# Altium PCB v1.0.PcbDoc (part 1 of 2) (continued)
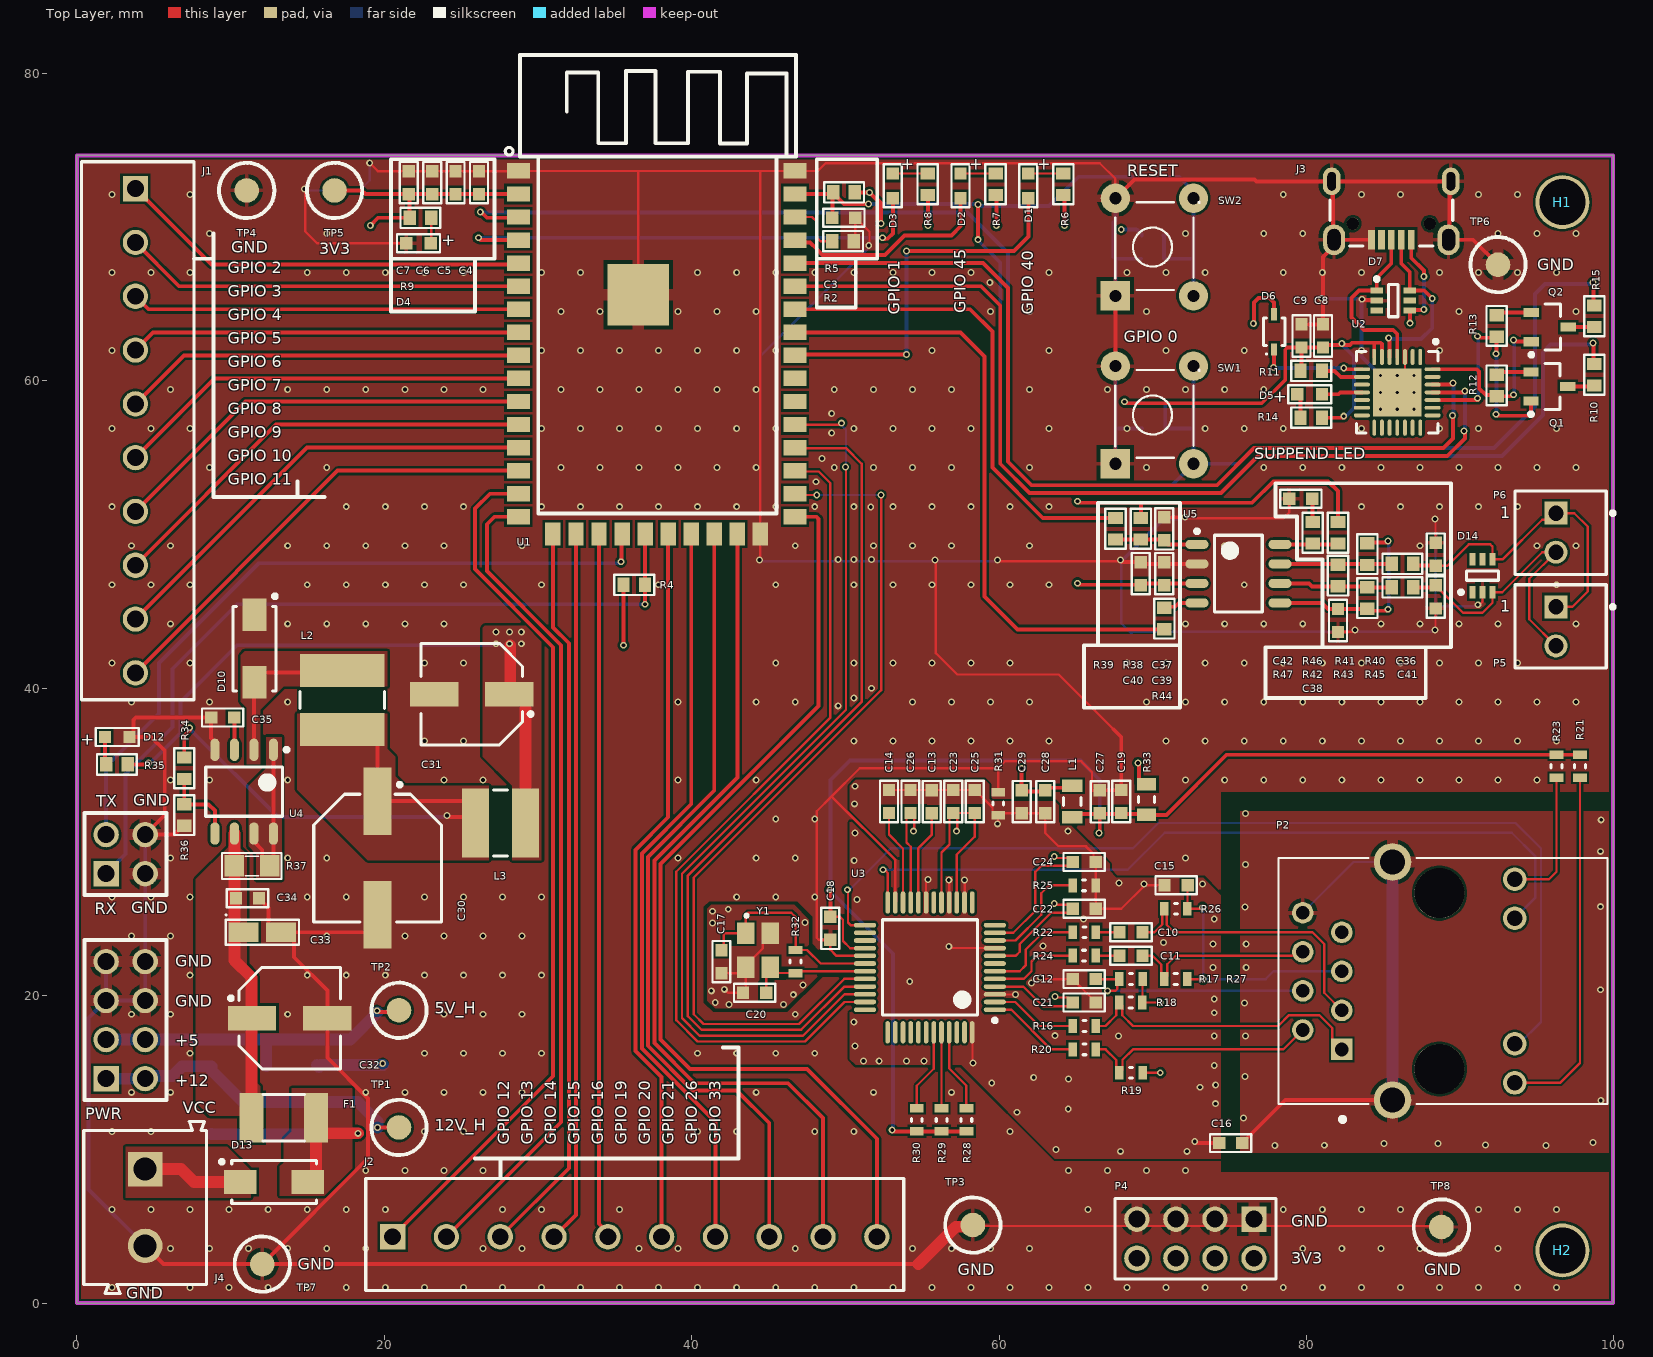
[diagram p0: Top Layer view]
## Components (designator, comment, footprint, x,y, rotation, side; value= is the part's Value field where it differs from the comment) (continued)
R4 "RESISTOR SMD" RES-SM-0603 36.257,46.736 r180 top value=10K
R5 "RESISTOR SMD" RES-SM-0603 49.911,72.263 r0 top value=10K
R6 "RESISTOR SMD" RES-SM-0603 64.182,72.789 r270 top value=330
R7 "RESISTOR SMD" RES-SM-0603 59.768,72.789 r270 top value=330
R8 "RESISTOR SMD" RES-SM-0603 55.354,72.789 r270 top value=330
R9 "RESISTOR SMD" RES-SM-0603 22.352,70.612 r180 top value=330
R10 "RESISTOR SMD" RES-SM-0603 98.722,60.399 r90 top value=0
R11 "RESISTOR SMD" RES-SM-0603 80.307,60.653 r180 top value=4.7K
R12 "RESISTOR SMD" RES-SM-0603 92.372,59.702 r90 top value=10K
R13 "RESISTOR SMD" RES-SM-0603 92.372,63.574 r90 top value=10K
R14 "RESISTOR SMD" RES-SM-0603 80.307,57.605 r0 top value=330
R15 "RESISTOR SMD" RES-SM-0603 98.722,64.209 r90 top value=0
R16 "Resistor" R0603 65.544,18.034 r0 top value=33
R17 "Resistor" R0603 68.58,21.082 r0 top value=10
R18 "Resistor" R0603 68.568,19.558 r0 top value=49.9
R19 "Resistor" R0603 68.58,14.986 r0 top value=49.9
R20 "Resistor" R0603 65.544,16.51 r0 top value=33
R21 "Resistor" R0603 97.79,34.925 r90 top value=330
R22 "Resistor" R0603 65.544,24.13 r0 top value=33
R23 "Resistor" R0603 96.266,34.925 r90 top value=330
R24 "Resistor" R0603 65.532,22.606 r0 top value=33
R25 "Resistor" R0603 65.532,27.178 r0 top value=12.4K
R26 "Resistor" R0603 71.501,25.654 r0 top value=49.9
R27 "Resistor" R0603 71.489,21.082 r0 top value=49.9
R28 "Resistor" R0603 57.868,11.922 r270 top value=10K
R29 "Resistor" R0603 56.257,11.922 r270 top value=10K
R30 "Resistor" R0603 54.646,11.922 r270 top value=10K
R31 "Resistor" R0603 59.944,32.5 r90 top value=0
R32 "Resistor" R0603 46.758,22.225 r90 top value=1M
R33 "Resistor" R0805 69.596,32.766 r90 top value=0
R34 "RESISTOR SMD" RES-SM-0603 6.985,34.798 r90 top value=4.2K
R35 "RESISTOR SMD" RES-SM-0603 2.603,35.047 r0 top value=330
R36 "RESISTOR SMD" RES-SM-0603 6.985,31.75 r90 top value=2.5K
R37 "RESISTOR SMD" RES-SM-0805 11.392,28.448 r0 top value=0.33
R38 "RESISTOR SMD" RES-SM-0603 69.221,50.379 r90 top value=10K
R39 "RESISTOR SMD" RES-SM-0603 67.57,50.379 r90 top value=10K
R40 "RESISTOR SMD" RES-SM-0603 86.239,48.093 r180 top value=0
R41 "RESISTOR SMD" RES-SM-0603 83.953,48.728 r90 top value=60.4
R42 "RESISTOR SMD" RES-SM-0603 82.048,47.331 r270 top value=NC
R43 "RESISTOR SMD" RES-SM-0603 83.953,45.869 r90 top value=60.4
R44 "RESISTOR SMD" RES-SM-0603 70.745,44.537 r270 top value=10K
R45 "RESISTOR SMD" RES-SM-0603 86.239,46.569 r180 top value=0
R46 "RESISTOR SMD" RES-SM-0603 82.048,50.125 r270 top value=NC
R47 "RESISTOR SMD" RES-SM-0603 80.397,50.125 r270 top value=10K
SW1 "SW" "Tact SW 4 pin" 67.564,54.61 r90 top value="Button chip 4 pin"
SW2 "SW" "Tact SW 4 pin" 67.564,65.532 r90 top value="Button chip 4 pin"
TP1 "Test point" TP 20.955,11.43 r90 top
TP2 "Test point" TP 20.955,19.05 r90 top
TP3 "Test point" TP 58.293,5.08 r0 top
TP4 "Test point" TP 11.049,72.39 r0 top
TP5 "Test point" TP 16.764,72.39 r0 top
TP6 "Test point" TP 92.456,67.564 r270 top
TP7 "Test point" TP 12.065,2.54 r270 top
TP8 "Test point" TP 88.773,4.953 r270 top
U1 "ESP-12K" CAC-150P3100X1800-41N 37.719,61.849 r0 top
U2 "CP2102" QFN50P500X500X90_HS-29N 85.903,59.256 r270 top
U3 "W5500" TSQFP50P900X900X160-48N 55.499,21.844 r180 top
U4 "MC34063AD" SOIC127P600X170-8N 10.884,33.274 r270 top
U5 "SN65HVD230" SOIC127P600X175-8N 75.571,47.458 r0 top
Y1 "25MHz" WE-XTAL_CFPX-180 44.316,22.956 r270 top

## Footprints (in the part's own frame and the unit in brackets; to place one, negate y for a bottom-side part, rotate by r counter-clockwise, add the part's x,y. Pads: shape width x height; smd on the part's side, far side on the other; paste and mask are expansions set on the pad)
61300421121 [mm] "Pin Header, pitch 2.54 mm, THT, Vertical, dual row, 4p"
  rect 1.65x1.65 hole 1.1: 1(-1.27,-1.27)
  round 1.65 hole 1.1: 2(-1.27,1.27) 3(1.27,-1.27) 4(1.27,1.27)
  silkscreen extent -2.69,-2.62 2.69,2.62, body extent -2.54,-2.54 2.54,2.54, height 8.59
61300821121 [mm] "Pin Header, pitch 2.54 mm, THT, Vertical, dual row, 8p"
  rect 1.65x1.65 hole 1.1: 1(-3.81,-1.27)
  round 1.65 hole 1.1: 2(-3.81,1.27) 3(-1.27,-1.27) 4(-1.27,1.27) 5(1.27,-1.27) 6(1.27,1.27) 7(3.81,-1.27) 8(3.81,1.27)
  silkscreen extent -5.23,-2.62 5.23,2.62, body extent -5.08,-2.54 5.08,2.54, height 8.59
61900211121 [mm] "2.54mm Male Locking Header, 2p"
  rect 1.5x1.5 hole 1: 1(1.27,0.3)
  round 1.5 hole 1: 2(-1.27,0.3)
  silkscreen extent -2.71,-3.52 2.71,2.98, body extent -2.54,-2.9 2.54,2.9, height 11.53
629105150521 [mm] "Micro USB 2.0 SMT Type B Horizontal 5 Contacts High Current"
  rect 0.45x1.3 smd: 1(-1.3,2.9) 2(-0.65,2.9) 3(0,2.9) 4(0.65,2.9) 5(1.3,2.9)
  round 0.8 hole 0.8 unplated: MH1(-2.5,1.85) MH2(2.5,1.85)
  oval 1.15x1.8 hole 0.55 slot 1.2 at 90 deg: Shell(-3.875,-0.9) Shell(3.875,-0.9)
  oval 1.45x2 hole 0.85 slot 1.4 at 90 deg: Shell(-3.725,2.9) Shell(3.725,2.9)
  silkscreen extent -4,0.3 4,3.3, body extent -4,-3.3 4,3.3, height 2.75
691111710002 [mm] "5,00mm - modular - green - Horizontal entry with pressure clamp - 10,0mm height - 02p"
  rect 2.25x2.25 hole 1.5: 1(-2.5,0)
  round 2.25 hole 1.5: 2(2.5,0)
  silkscreen extent -5.6,-4 5.6,4, body extent -5.6,-4 5.6,4, height 11.05
691243110010 [mm] "Serie 2431 - 3.50 mm_10 pins"
  rect 1.65x1.65 hole 1.1: 1(-15.75,-0.15)
  round 1.65 hole 1.1: 2(-12.25,-0.15) 3(-8.75,-0.15) 4(-5.25,-0.15) 5(-1.75,-0.15) 6(1.75,-0.15) 7(5.25,-0.15) 8(8.75,-0.15) 9(12.25,-0.15) 10(15.75,-0.15)
  silkscreen extent -17.5,-3.65 17.5,3.65, body extent -17.5,-3.65 17.5,3.65, height 9.15
CAC-150P3100X1800-41N [mm] "Chip Array, Concave, 41-Leads, Pitch 1.50mm,  Body 31.00x18.00mm,  IPC Medium Density"
  rect 1.5x1 smd: 1(-9,11.811) 2(-9,10.311) 3(-9,8.811) 4(-9,7.311) 5(-9,5.811) 6(-9,4.311) 7(-9,2.811) 8(-9,1.311) 9(-9,-0.189) 10(-9,-1.689) 11(-9,-3.189) 12(-9,-4.689) 13(-9,-6.189) 14(-9,-7.689) 15(-9,-9.189) 16(-9,-10.689) 27(9,-10.689) 28(9,-9.189) 29(9,-7.689) 30(9,-6.189) 31(9,-4.689) 32(9,-3.189) 33(9,-1.689) 34(9,-0.189) 35(9,1.311) 36(9,2.811) 37(9,4.311) 38(9,5.811) 39(9,7.311) 40(9,8.811) 41(9,10.311) 42(9,11.811)
  rect 1x1.5 smd: 17(-6.75,-11.811) 18(-5.25,-11.811) 19(-3.75,-11.811) 20(-2.25,-11.811) 21(-0.75,-11.811) 22(0.75,-11.811) 23(2.25,-11.811) 24(3.75,-11.811) 25(5.25,-11.811) 26(6.75,-11.811)
  rect 4x4 smd: 43(-1.2,3.75)
  silkscreen extent -9.85,-10.46 9.08,19.36, body extent -9,-11.7 9,19.3, height 3.45
"CAP ALU SIZE D" [mm] "Capacitor, Aluminium Electrolytric, 6.6mm L X 6.6mm W X 5.4mm H, IPC Medium Density"
  rect 3.15x1.6 smd: 1(-2.45,0) 2(2.45,0)
  silkscreen extent -3.95,-3.3 3.3,3.3, body extent -3.9,-3.4 3.9,3.4, height 5.7
"CAP ALU SIZE F" [mm] "Capacitor, Aluminium Electrolytric, 8.3mm L X 8.3mm W X 10.2mm H, IPC Medium Density"
  rect 4.4x1.8 smd: 1(-3.7,0) 2(3.7,0)
  silkscreen extent -4.9,-4.15 4.15,4.15, body extent -4.75,-4.25 5.25,4.25, height 10.2
CAPMP3216X18N [mm] "Molded Capacitor, 2-Leads, Body 3.20x1.60mm, IPC Medium Density"
  rect 1.95x1.25 smd: 1(-1.225,0) 2(1.225,0)
  silkscreen extent -2.41,-0.81 2.39,1.18, body extent -1.92,-0.9 1.92,0.9, height 1.8
"FUSE SMD" [mm] "SMD FUSE"
  rect 1.55x3.21 smd: 1(-2.1,0) 2(2.1,0)
  silkscreen extent -1.35,-1.5 1.35,1.51, body extent -2.37,-1.71 2.36,1.71, height 0.75
HANRUN_HR911105A [mm]
  rect 1.398x1.398 / inner round 1.398 / far side rect 1.398x1.398 hole 0.89: 1(4.45,-6.35)
  round 1.398 hole 0.89: 2(3.18,-8.89) 3(1.91,-6.35) 4(0.64,-8.89) 5(-0.63,-6.35) 6(-1.9,-8.89) 7(-3.17,-6.35) 8(-4.44,-8.89)
  round 1.53 hole 1.02: 9(6.625,4.9) 10(4.085,4.9) 11(-4.085,4.9) 12(-6.625,4.9)
  round 2.445 hole 1.63: Shell(-7.745,-3.05) Shell(7.745,-3.05)
  round 3.25 hole 3.25 unplated: ""(-5.715,0) ""(5.715,0)
  silkscreen extent -8,-10.48 9.15,10.92, body extent -8.02,-10.38 8.02,10.92, height 13.5
I0805 [mm] "Chip Inductor, 2-Leads, Body 2.00x1.20mm, IPC Medium Density"
  rect 0.8x1.34 smd: 1(-1.03,0) 2(1.03,0)
  silkscreen extent -0.25,-0.57 0.25,0.57, body extent -1,-0.6 1,0.6, height 0.45
"LO KHOAN 3MM" [mil]
  round 138 hole 118.1: 1(0,0)
QFN50P500X500X90_HS-29N [mm] "QFN, 28-Leads, Body 5.00x5.00mm, Pitch 0.50mm, Thermal Pad 3.13x3.13mm, IPC Medium Density"
  oval 1.05x0.25 smd: 1(-2.3,1.5) 2(-2.3,1) 3(-2.3,0.5) 4(-2.3,0) 5(-2.3,-0.5) 6(-2.3,-1) 7(-2.3,-1.5) 15(2.3,-1.5) 16(2.3,-1) 17(2.3,-0.5) 18(2.3,0) 19(2.3,0.5) 20(2.3,1) 21(2.3,1.5)
  oval 0.25x1.05 smd: 8(-1.5,-2.3) 9(-1,-2.3) 10(-0.5,-2.3) 11(0,-2.3) 12(0.5,-2.3) 13(1,-2.3) 14(1.5,-2.3) 22(1.5,2.3) 23(1,2.3) 24(0.5,2.3) 25(0,2.3) 26(-0.5,2.3) 27(-1,2.3) 28(-1.5,2.3)
  rect 3.13x3.13 smd: 29(0,0)
  silkscreen extent -3.42,-2.65 2.65,2.65, body extent -2.52,-2.52 2.52,2.52, height 0.9
R0603 [mm] "Chip Resistor, 2-Leads, Body 1.55x0.85mm, IPC Medium Density"
  rect 0.55x0.9 smd: 1(-0.75,0) 2(0.75,0)
  silkscreen extent -0.1,-0.35 0.1,0.35, body extent -0.77,-0.43 0.77,0.43, height 0.45
R0805 [mm] "Chip Resistor, 2-Leads, Body 2.00x1.20mm, IPC Medium Density"
  rect 0.8x1.25 smd: 1(-1,0) 2(1,0)
  silkscreen extent -0.2,-0.53 0.2,0.53, body extent -1,-0.6 1,0.6, height 0.45
RES-SM-0603 [mm]
  rect 0.8x0.95 smd: 1(-0.7,0) 2(0.7,0)
  silkscreen extent -1.3,-0.66 1.3,0.66, body extent -0.8,-0.4 0.8,0.4, height 0.3
RES-SM-0805 [mil]
  rect 50x55 smd: 1(-45,0) 2(45,0)
  silkscreen extent -77,-34 76,33, body extent -39,-25 39,25, height 31
SODFL250X90-2N [mm] "SODFL, 2-Leads, Body 1.25x2.50mm, IPC Medium Density"
  rect 0.8x0.4 smd: 1(-1.15,0) 2(1.15,0)
  silkscreen extent -1.5,-0.7 0.9,0.7, body extent -1.25,-0.67 1.25,0.67, height 0.9
SOIC127P600X170-8N [mm] "SOIC, 8-Leads, Body 4.91x3.90mm, Pitch 1.27mm, IPC Medium Density"
  oval 1.45x0.6 smd: 1(-2.725,1.905) 2(-2.725,0.635) 3(-2.725,-0.635) 4(-2.725,-1.905) 5(2.725,-1.905) 6(2.725,-0.635) 7(2.725,0.635) 8(2.725,1.905)
  silkscreen extent -2.85,-2.5 1.6,2.88, body extent -3,-2.5 3,2.5, height 1.7
SOIC127P600X175-8N [mm] "SOIC, 8-Leads, Body 4.91x3.85mm, Pitch 1.27mm, IPC Medium Density"
  oval 1.5x0.6 smd: 1(-2.7,1.905) 2(-2.7,0.635) 3(-2.7,-0.635) 4(-2.7,-1.905) 5(2.7,-1.905) 6(2.7,-0.635) 7(2.7,0.635) 8(2.7,1.905)
  silkscreen extent -2.82,-2.5 1.55,2.88, body extent -3,-2.5 3,2.5, height 1.75
SOT65P210X110-6N [mm] "SOT23, 6-Leads, Body 2.00x2.10mm, Pitch 0.65mm, IPC Medium Density"
  rect 0.8x0.4 smd: 1(-1.075,0.65) 2(-1.075,0) 3(-1.075,-0.65) 4(1.075,-0.65) 5(1.075,0) 6(1.075,0.65)
  silkscreen extent -1.2,-1.05 0.3,1.52, body extent -1.05,-1.05 1.05,1.05, height 1.1
SOT95P245X110-3N [mm] "SOT23, 3-Leads, Body 2.90x2.45mm, Pitch 0.95mm, IPC Medium Density"
  rect 1x0.6 smd: 1(-1.2,-0.95) 2(-1.2,0.95) 3(1.2,0)
  silkscreen extent -1.32,-1.92 0.7,1.5, body extent -1.3,-1.5 1.3,1.5, height 1.1
SS34 [mm] "DO-214-AC/SMA Molded Diode, Body 5.3x2.6mm, IPC Medium Density"
  rect 2.1x1.55 smd: 1(-2.2,0) 2(2.2,0)
  silkscreen extent -3.52,-1.4 2.75,1.45, body extent -2.75,-1.4 2.75,1.4, height 2.3
"Tact SW 4 pin" [mil] "SW button 4pin, 250 x250 mil"
  rect 75x75 hole 31: 1(0,0)
  round 75 hole 31: 2(250,-200) 3(250,0) 4(0,-200)
  silkscreen extent 15,-215 240,0, body extent -36,-220 276,24, height 276
TP [mm]
  round 1.6 smd: 1(0,0)
  silkscreen extent -1.8,-1.8 1.8,1.8
TSQFP50P900X900X160-48N [mm] "TSQFP, 48-Leads, Body 7.00x7.00mm, Pitch 0.50mm, IPC Medium Density"
  oval 1.45x0.3 smd: 1(-4.225,2.75) 2(-4.225,2.25) 3(-4.225,1.75) 4(-4.225,1.25) 5(-4.225,0.75) 6(-4.225,0.25) 7(-4.225,-0.25) 8(-4.225,-0.75) 9(-4.225,-1.25) 10(-4.225,-1.75) 11(-4.225,-2.25) 12(-4.225,-2.75) 25(4.225,-2.75) 26(4.225,-2.25) 27(4.225,-1.75) 28(4.225,-1.25) 29(4.225,-0.75) 30(4.225,-0.25) 31(4.225,0.25) 32(4.225,0.75) 33(4.225,1.25) 34(4.225,1.75) 35(4.225,2.25) 36(4.225,2.75)
  oval 0.3x1.45 smd: 13(-2.75,-4.225) 14(-2.25,-4.225) 15(-1.75,-4.225) 16(-1.25,-4.225) 17(-0.75,-4.225) 18(-0.25,-4.225) 19(0.25,-4.225) 20(0.75,-4.225) 21(1.25,-4.225) 22(1.75,-4.225) 23(2.25,-4.225) 24(2.75,-4.225) 37(2.75,4.225) 38(2.25,4.225) 39(1.75,4.225) 40(1.25,4.225) 41(0.75,4.225) 42(0.25,4.225) 43(-0.25,4.225) 44(-0.75,4.225) 45(-1.25,4.225) 46(-1.75,4.225) 47(-2.25,4.225) 48(-2.75,4.225)
  silkscreen extent -4.35,-3.1 3.1,3.57, body extent -4.5,-4.5 4.5,4.5, height 1.6
WCAP-CSGP_0603_H=0.8mm_Reflow [mm] "Ceramic Capacitors, body 1.6x0.8mm"
  rect 0.8x0.8 smd: 1(-0.75,0) 2(0.75,0)
  silkscreen extent -1.34,-0.58 1.35,0.58, body extent -0.8,-0.4 0.8,0.4, height 0.8
WE-PD2A_4532 [mm] "SMD Power Inductor, body 4.5x4mm"
  rect 1.75x4.5 smd: 1(-1.625,0) 2(1.625,0)
  silkscreen extent -0.45,-2.15 0.45,2.15, body extent -2.16,-2 2.16,2, height 3.2
WE-PD2A_5848 [mm] "SMD Power Inductor, body 5.8x5.2mm"
  rect 2.15x5.5 smd: 1(-1.925,0) 2(1.925,0)
  silkscreen extent -0.55,-2.75 0.55,2.75, body extent -2.9,-2.6 2.89,2.6, height 4.5
WE-XTAL_CFPX-180 [mm] "Quartz Crystal, size CFPX-180, body 3.4x2.7mm"
  rect 1.4x1.15 smd: 1(-1.1,-0.8) 2(1.1,-0.8) 3(1.1,0.8) 4(-1.1,0.8)
  silkscreen extent -2.35,-0.85 -2.15,-0.65, body extent -1.7,-1.35 1.7,1.35, height 0.65
WL-SMCW_0603_H=0.7mm [mm] "SMD Mono-color Chip LED, body 1.6x0.8mm"
  rect 0.8x0.8 smd: 1(-0.8,0) 2(0.8,0)
  silkscreen extent -1.4,-0.58 1.4,0.58, body extent -0.8,-0.4 0.8,0.4, height 0.7

## Part data
C1 C2 C4 C5 C6: library part 885012206095, "WCAP-CSGP Multilayer Ceramic Chip Capacitor, General Purpose, size 0603, X7R, 100nF, 50V", Capacitance=100nF, Capacitance Tolerance=+/-10%, Isolation Resistance=>=5GOhm, Manufacturer="Wurth Elektronik", Operating Temperature="-55 to +125degC", Rated Voltage=50VDC, Ceramic Type=X7R, ComponentLink1Description=Manufacturer, ComponentLink1URL=http://www.we-online.de, ComponentLink2Description=Datasheet, ComponentLink2URL=https://www.we-online.com/catalog/datasheet/885012206095.pdf, Dissipation Factor=#NAME?, Height=0.8mm, Manufacturer Part Number=885012206095, Mounting Technology=SMT, Packaging="Tape and Reel", Published Date="May 2020", Size=0603, Technical Reference=X7R0603104K050DFCT10000
C3: library part 885012106017, "WCAP-CSGP Multilayer Ceramic Chip Capacitor, General Purpose, size 0603, X5R, 1uF, 16V", Capacitance=1uF, Capacitance Tolerance=+/-20%, Isolation Resistance=>=0.1GOhm, Manufacturer="Wurth Elektronik", Operating Temperature="-55 to +85degC", Rated Voltage=16VDC, Ceramic Type=X5R, ComponentLink1Description=Manufacturer, ComponentLink1URL=http://www.we-online.de, ComponentLink2Description=Datasheet, ComponentLink2URL=https://www.we-online.com/catalog/datasheet/885012106017.pdf, Dissipation Factor=#NAME?, Height=0.8mm, Manufacturer Part Number=885012106017, Mounting Technology=SMT, Packaging="Tape and Reel", Published Date="May 2020", Size=0603, Technical Reference=X5R0603105M016DFCT10000
C7 C40 C42: library part 885012206089, "WCAP-CSGP Multilayer Ceramic Chip Capacitor, General Purpose, size 0603, X7R, 10nF, 50V", Capacitance=10nF, Capacitance Tolerance=+/-10%, Isolation Resistance=>=10GOhm, Manufacturer="Wurth Elektronik", Operating Temperature="-55 to +125degC", Rated Voltage=50VDC, Ceramic Type=X7R, ComponentLink1Description=Manufacturer, ComponentLink1URL=http://www.we-online.de, ComponentLink2Description=Datasheet, ComponentLink2URL=https://www.we-online.com/catalog/datasheet/885012206089.pdf, Dissipation Factor=#NAME?, Height=0.8mm, Manufacturer Part Number=885012206089, Mounting Technology=SMT, Packaging="Tape and Reel", Published Date="May 2020", Size=0603, Technical Reference=X7R0603103K050DFCT10000
C8 C27 C28: library part 885012106006, "WCAP-CSGP Multilayer Ceramic Chip Capacitor, General Purpose, size 0603, X5R, 10uF, 6.3V", Capacitance=10uF, Capacitance Tolerance=+/-20%, Isolation Resistance=>=0.01GOhm, Manufacturer="Wurth Elektronik", Operating Temperature="-55 to +85degC", Rated Voltage=6.3VDC, Ceramic Type=X5R, ComponentLink1Description=Manufacturer, ComponentLink1URL=http://www.we-online.de, ComponentLink2Description=Datasheet, ComponentLink2URL=https://www.we-online.com/catalog/datasheet/885012106006.pdf, Dissipation Factor=#NAME?, Height=0.8mm, Manufacturer Part Number=885012106006, Mounting Technology=SMT, Packaging="Tape and Reel", Published Date="May 2020", Size=0603, Technical Reference=X5R0603106M6R3DFCT10000
C9: library part 885012206020, "WCAP-CSGP Multilayer Ceramic Chip Capacitor, General Purpose, size 0603, X7R, 100nF, 10V", Capacitance=100nF, Capacitance Tolerance=+/-10%, Isolation Resistance=>=5GOhm, Manufacturer="Wurth Elektronik", Operating Temperature="-55 to +125degC", Rated Voltage=10VDC, Ceramic Type=X7R, ComponentLink1Description=Manufacturer, ComponentLink1URL=http://www.we-online.de, ComponentLink2Description=Datasheet, ComponentLink2URL=https://www.we-online.com/catalog/datasheet/885012206020.pdf, Dissipation Factor=#NAME?, Height=0.8mm, Manufacturer Part Number=885012206020, Mounting Technology=SMT, Packaging="Tape and Reel", Published Date="May 2020", Size=0603, Technical Reference=X7R0603104K010DFCT10000
C10 C11: library part 885012206039, "WCAP-CSGP Multilayer Ceramic Chip Capacitor, General Purpose, size 0603, X7R, 6.8nF, 16V", Capacitance=6.8nF, Capacitance Tolerance=+/-10%, Isolation Resistance=>=10GOhm, Manufacturer="Wurth Elektronik", Operating Temperature="-55 to +125degC", Rated Voltage=16VDC, Ceramic Type=X7R, ComponentLink1Description=Manufacturer, ComponentLink1URL=http://www.we-online.de, ComponentLink2Description=Datasheet, ComponentLink2URL=https://www.we-online.com/catalog/datasheet/885012206039.pdf, Dissipation Factor=#NAME?, Height=0.8mm, Manufacturer Part Number=885012206039, Mounting Technology=SMT, Packaging="Tape and Reel", Published Date="May 2020", Size=0603, Technical Reference=X7R0603682K016DFCT10000
C12: library part 885012006034, "WCAP-CSGP Multilayer Ceramic Chip Capacitor, General Purpose, size 0603, NP0, 22pF, 25V", Capacitance=22pF, Capacitance Tolerance=+/-5%, Isolation Resistance=>=10GOhm, Manufacturer="Wurth Elektronik", Operating Temperature="-55 to +125degC", Rated Voltage=25VDC, Ceramic Type=NP0, ComponentLink1Description=Manufacturer, ComponentLink1URL=http://www.we-online.de, ComponentLink2Description=Datasheet, ComponentLink2URL=https://www.we-online.com/catalog/datasheet/885012006034.pdf, Dissipation Factor=Q>=400+20C, Height=0.8mm, Manufacturer Part Number=885012006034, Mounting Technology=SMT, Packaging="Tape and Reel", Published Date="May 2020", Size=0603, Technical Reference=NP00603220J025DFCT10000
C13: library part 885012106012, "WCAP-CSGP Multilayer Ceramic Chip Capacitor, General Purpose, size 0603, X5R, 4.7uF, 10V", Capacitance=4.7uF, Capacitance Tolerance=+/-20%, Isolation Resistance=>=0.02GOhm, Manufacturer="Wurth Elektronik", Operating Temperature="-55 to +85degC", Rated Voltage=10VDC, Ceramic Type=X5R, ComponentLink1Description=Manufacturer, ComponentLink1URL=http://www.we-online.de, ComponentLink2Description=Datasheet, ComponentLink2URL=https://www.we-online.com/catalog/datasheet/885012106012.pdf, Dissipation Factor=#NAME?, Height=0.8mm, Manufacturer Part Number=885012106012, Mounting Technology=SMT, Packaging="Tape and Reel", Published Date="May 2020", Size=0603, Technical Reference=X5R0603475M010DFCT10000
C14 C29: library part 885012206040, "WCAP-CSGP Multilayer Ceramic Chip Capacitor, General Purpose, size 0603, X7R, 10nF, 16V", Capacitance=10nF, Capacitance Tolerance=+/-10%, Isolation Resistance=>=10GOhm, Manufacturer="Wurth Elektronik", Operating Temperature="-55 to +125degC", Rated Voltage=16VDC, Ceramic Type=X7R, ComponentLink1Description=Manufacturer, ComponentLink1URL=http://www.we-online.de, ComponentLink2Description=Datasheet, ComponentLink2URL=https://www.we-online.com/catalog/datasheet/885012206040.pdf, Dissipation Factor=#NAME?, Height=0.8mm, Manufacturer Part Number=885012206040, Mounting Technology=SMT, Packaging="Tape and Reel", Published Date="May 2020", Size=0603, Technical Reference=X7R0603103K016DFCT10000
C15: library part 885012206014, "WCAP-CSGP Multilayer Ceramic Chip Capacitor, General Purpose, size 0603, X7R, 10nF, 10V", Capacitance=10nF, Capacitance Tolerance=+/-10%, Isolation Resistance=>=10GOhm, Manufacturer="Wurth Elektronik", Operating Temperature="-55 to +125degC", Rated Voltage=10VDC, Ceramic Type=X7R, ComponentLink1Description=Manufacturer, ComponentLink1URL=http://www.we-online.de, ComponentLink2Description=Datasheet, ComponentLink2URL=https://www.we-online.com/catalog/datasheet/885012206014.pdf, Dissipation Factor=#NAME?, Height=0.8mm, Manufacturer Part Number=885012206014, Mounting Technology=SMT, Packaging="Tape and Reel", Published Date="May 2020", Size=0603, Technical Reference=X7R0603103K010DFCT10000
C16: library part 885012206114, "WCAP-CSGP Multilayer Ceramic Chip Capacitor, General Purpose, size 0603, X7R, 10nF, 100V", Capacitance=10nF, Capacitance Tolerance=+/-10%, Isolation Resistance=>=10GOhm, Manufacturer="Wurth Elektronik", Operating Temperature="-55 to +125degC", Rated Voltage=100VDC, Ceramic Type=X7R, ComponentLink1Description=Manufacturer, ComponentLink1URL=http://www.we-online.de, ComponentLink2Description=Datasheet, ComponentLink2URL=https://www.we-online.com/catalog/datasheet/885012206114.pdf, Dissipation Factor=#NAME?, Height=0.8mm, Manufacturer Part Number=885012206114, Mounting Technology=SMT, Packaging="Tape and Reel", Published Date="May 2020", Size=0603, Technical Reference=X7R0603103K100DFCT10000
C17 C20: library part 885012006053, "WCAP-CSGP Multilayer Ceramic Chip Capacitor, General Purpose, size 0603, NP0, 22pF, 50V", Capacitance=22pF, Capacitance Tolerance=+/-5%, Isolation Resistance=>=10GOhm, Manufacturer="Wurth Elektronik", Operating Temperature="-55 to +125degC", Rated Voltage=50VDC, Ceramic Type=NP0, ComponentLink1Description=Manufacturer, ComponentLink1URL=http://www.we-online.de, ComponentLink2Description=Datasheet, ComponentLink2URL=https://www.we-online.com/catalog/datasheet/885012006053.pdf, Dissipation Factor=Q>=400+20C, Height=0.8mm, Manufacturer Part Number=885012006053, Mounting Technology=SMT, Packaging="Tape and Reel", Published Date="May 2020", Size=0603, Technical Reference=NP00603220J050DFCT10000
C18 C19 C21 C22 C23 C24 C25 C26: library part 885012206046, "WCAP-CSGP Multilayer Ceramic Chip Capacitor, General Purpose, size 0603, X7R, 100nF, 16V", Capacitance=100nF, Capacitance Tolerance=+/-10%, Isolation Resistance=>=5GOhm, Manufacturer="Wurth Elektronik", Operating Temperature="-55 to +125degC", Rated Voltage=16VDC, Ceramic Type=X7R, ComponentLink1Description=Manufacturer, ComponentLink1URL=http://www.we-online.de, ComponentLink2Description=Datasheet, ComponentLink2URL=https://www.we-online.com/catalog/datasheet/885012206046.pdf, Dissipation Factor=#NAME?, Height=0.8mm, Manufacturer Part Number=885012206046, Mounting Technology=SMT, Packaging="Tape and Reel", Published Date="May 2020", Size=0603, Technical Reference=X7R0603104K016DFCT10000
C30 C31 C32: "Polarized Capacitor (Radial)"
C34 C36 C37 C38 C39 C41: library part 885012206071, "WCAP-CSGP Multilayer Ceramic Chip Capacitor, General Purpose, size 0603, X7R, 100nF, 25V", Capacitance=100nF, Capacitance Tolerance=+/-10%, Isolation Resistance=>=5GOhm, Manufacturer="Wurth Elektronik", Operating Temperature="-55 to +125degC", Rated Voltage=25VDC, Ceramic Type=X7R, ComponentLink1Description=Manufacturer, ComponentLink1URL=http://www.we-online.de, ComponentLink2Description=Datasheet, ComponentLink2URL=https://www.we-online.com/catalog/datasheet/885012206071.pdf, Dissipation Factor=#NAME?, Height=0.8mm, Manufacturer Part Number=885012206071, Mounting Technology=SMT, Packaging="Tape and Reel", Published Date="May 2020", Size=0603, Technical Reference=X7R0603104K025DFCT10000
C35: library part 885012006027, "WCAP-CSGP Multilayer Ceramic Chip Capacitor, General Purpose, size 0603, NP0, 470pF, 16V", Capacitance=470pF, Capacitance Tolerance=+/-5%, Isolation Resistance=>=10GOhm, Manufacturer="Wurth Elektronik", Operating Temperature="-55 to +125degC", Rated Voltage=16VDC, Ceramic Type=NP0, ComponentLink1Description=Manufacturer, ComponentLink1URL=http://www.we-online.de, ComponentLink2Description=Datasheet, ComponentLink2URL=https://www.we-online.com/catalog/datasheet/885012006027.pdf, Dissipation Factor=Q>=1000, Height=0.8mm, Manufacturer Part Number=885012006027, Mounting Technology=SMT, Packaging="Tape and Reel", Published Date="May 2020", Size=0603, Technical Reference=NP00603471J016DFCT10000
D1 D2 D3: library part 150060GS75000, "WL-SMCW SMT Mono-color Chip LED Waterclear, size 0603, Green, 3.2V, 140deg", Emitting Color=Green, Forward Voltage typ.=3.2V, Operating Temperature="-40 to +85degC", Chip Technology=InGaN, ComponentLink1Description=Manufacturer, ComponentLink1URL=http://www.we-online.de, ComponentLink2Description=Datasheet, ComponentLink2URL=https://www.we-online.com/catalog/datasheet/150060GS75000.pdf, Dominant Wavelength typ.=525nm, Luminous Intensity typ.=430mcd, Mounting Technology=SMT, Packaging="Tape and Reel", Part Number=150060GS75000, Peak Wavelength typ.=515nm, Published Date="December 2019", Publisher="Wurth Elektronik", Size=0603, Viewing Angle=140deg
D4 D12: library part 150060RS75000, "WL-SMCW SMT Mono-color Chip LED Waterclear, size 0603, Red, 2V, 140deg", Emitting Color=Red, Forward Voltage typ.=2V, Operating Temperature="-40 to +85degC", Chip Technology=AlInGaP, ComponentLink1Description=Manufacturer, ComponentLink1URL=http://www.we-online.de, ComponentLink2Description=Datasheet, ComponentLink2URL=https://www.we-online.com/catalog/datasheet/150060RS75000.pdf, Dominant Wavelength typ.=625nm, Luminous Intensity typ.=250mcd, Mounting Technology=SMT, Packaging="Tape and Reel", Part Number=150060RS75000, Peak Wavelength typ.=630nm, Published Date="December 2019", Publisher="Wurth Elektronik", Size=0603, Viewing Angle=140deg
D5: library part 150060AS75000, "WL-SMCW SMT Mono-color Chip LED Waterclear, size 0603, Amber, 2V, 140deg", Emitting Color=Amber, Forward Voltage typ.=2V, Operating Temperature="-40 to +85degC", Chip Technology=AlInGaP, ComponentLink1Description=Manufacturer, ComponentLink1URL=http://www.we-online.de, ComponentLink2Description=Datasheet, ComponentLink2URL=https://www.we-online.com/catalog/datasheet/150060AS75000.pdf, Dominant Wavelength typ.=605nm, Luminous Intensity typ.=130mcd, Mounting Technology=SMT, Packaging="Tape and Reel", Part Number=150060AS75000, Peak Wavelength typ.=610nm, Published Date="December 2019", Publisher="Wurth Elektronik", Size=0603, Viewing Angle=140deg
D8 D9 D10 D11 D13: "Schottky Diode", Code_JEDEC=DO-214-AA, LatestRevisionDate=17-Jul-2002, LatestRevisionNote="Re-released for DXP Platform.", PackageDescription="DO-214-AA/SMB; 2 C-Bend Leads; Body 5.3 x 3.6 mm, inc. leads (LxW)", PackageReference=SMB, Published=8-Jun-2000, Publisher="Altium Limited"
H1 H2: "Hole 3mm"
J1 J2: "WR-TBL Serie 2431 Horizontal Cable Entry, Rising Cage Clamp, pitch 3.5mm, 10p", Operating Temperature="-30 to +120degC", Rated Current [UL]=10A, Working Voltage [UL]=300VAC, Application="Rising Cage Clamp", Compliance="Lead free / RoHS", ComponentLink1Description=Manufacturer, ComponentLink1URL=http://www.we-online.de, ComponentLink2Description=Datasheet, ComponentLink2URL=https://katalog.we-online.de/em/datasheet/691243110010.pdf, Modularity=No, Mounting Technology=THT, Packaging=Box, Part Number=691243110010, PCB/Cable/Panel=PCB, Pin Number=10, Pitch=3.5mm, Published Date="October 2019", Publisher="Wurth Elektronik", Type=Horizontal
J3: "Micro USB 2.0 Type B Receptacle WR-COM, Horizontal, SMT, with Pegs, High Current at Pin 1 & Pin 5", Contact Resistance="30 mOhm", Operating Temperature="-40 to 85 degC", Rated Current="3 A", Working Voltage="30 VAC", ComponentLink1Description=Manufacturer, ComponentLink1URL=http://www.we-online.de, ComponentLink2Description=Datasheet, ComponentLink2URL=https://katalog.we-online.de/em/datasheet/629105150521.pdf, Connector Type="Micro USB 2.0 Type B", Gender=Receptacle, Mounting Technology=SMT, Orientation=Horizontal, Packaging="Tape and Reel", Part Number=629105150521, Published Date="September 2018", Publisher="Wurth Elektronik"
J4: "WR-TBL Serie 111 Horizontal Entry Modular, Pressure Clamp, pitch 5mm, 2p", Operating Temperature="-40 to +105degC", Rated Current [UL]=15A, Working Voltage [UL]=250VAC, Application="Pressure Clamp", Compliance="Lead free / RoHS", ComponentLink1Description=Manufacturer, ComponentLink1URL=http://www.we-online.de, ComponentLink2Description=Datasheet, ComponentLink2URL=https://katalog.we-online.de/em/datasheet/691111710002.pdf, Modularity=Yes, Mounting Technology=THT, Packaging=Box, Part Number=691111710002, PCB/Cable/Panel=PCB, Pin Number=2, Pitch=5mm, Published Date="October 2019", Publisher="Wurth Elektronik", Type=Horizontal
L1: Current Rating (Max)=500mA, Impedance @ Frequency="100 Ohm @ 100MHz"
L2: library part 784774222, "WE-PD2A SMT Power Inductor, size 5848, 220uH, 0.41A", DC Resistance max.=1.57Ohm, DC Resistance typ.=0.945Ohm, Inductance=220uH, Manufacturer="Wurth Elektronik", Operating Temperature="-40 to +125degC", Rated Current=0.41A, Rated Voltage=80VDC, Saturation Current=0.47A, Self Resonant Frequency=5MHz, ComponentLink1Description=Manufacturer, ComponentLink1URL=http://www.we-online.de, ComponentLink2Description=Datasheet, ComponentLink2URL=https://www.we-online.com/catalog/datasheet/784774222.pdf, Manufacturer Part Number=784774222, Mounting Technology=SMT, Packaging="Tape and Reel", Published Date="May 2020", Size=5848
L3: library part 7847730, "WE-PD2A SMT Power Inductor, size 4532, 1uH, 4A", DC Resistance max.=0.049Ohm, DC Resistance typ.=0.014Ohm, Inductance=1uH, Manufacturer="Wurth Elektronik", Operating Temperature="-40 to +125degC", Rated Current=4A, Rated Voltage=80VDC, Saturation Current=5.72A, Self Resonant Frequency=110MHz, ComponentLink1Description=Manufacturer, ComponentLink1URL=http://www.we-online.de, ComponentLink2Description=Datasheet, ComponentLink2URL=https://www.we-online.com/catalog/datasheet/7847730.pdf, Manufacturer Part Number=7847730, Mounting Technology=SMT, Packaging="Tape and Reel", Published Date="May 2020", Size=4532
P1: "WR-PHD Pin Header, THT, pitch 2.54mm, Dual Row, Vertical, 4p", Contact Resistance=20mOhm, Manufacturer="Wurth Elektronik", Operating Temperature="-40 to +105degC", Rated Current=3A, Withstanding Voltage=500VAC, Working Voltage=250VAC, ComponentLink1Description=Manufacturer, ComponentLink1URL=http://www.we-online.de, ComponentLink2Description=Datasheet, ComponentLink2URL=https://www.we-online.com/catalog/datasheet/61300421121.pdf, Gender="Pin Header", Manufacturer Part Number=61300421121, Mounting Technology=THT, Orientation=Vertical, Packaging=Bag, Pin Number=4, Pitch=2.54mm, Published Date="May 2020", Row Number=Dual
P3 P4: "WR-PHD Pin Header, THT, pitch 2.54mm, Dual Row, Vertical, 8p", Contact Resistance=20mOhm, Manufacturer="Wurth Elektronik", Operating Temperature="-40 to +105degC", Rated Current=3A, Withstanding Voltage=500VAC, Working Voltage=250VAC, ComponentLink1Description=Manufacturer, ComponentLink1URL=http://www.we-online.de, ComponentLink2Description=Datasheet, ComponentLink2URL=https://www.we-online.com/catalog/datasheet/61300821121.pdf, Gender="Pin Header", Manufacturer Part Number=61300821121, Mounting Technology=THT, Orientation=Vertical, Packaging=Bag, Pin Number=8, Pitch=2.54mm, Published Date="May 2020", Row Number=Dual
P5 P6: "WR-WTB THT Male Vertical Locking Header, pitch 2.54mm, 2p", Contact Resistance=20mOhm, Operating Temperature="-40 to +105degC", Rated Current=3A, Withstanding Voltage=1000VAC, Working Voltage=250VAC, ComponentLink1Description=Manufacturer, ComponentLink1URL=http://www.we-online.de, ComponentLink2Description=Datasheet, ComponentLink2URL=https://www.we-online.com/catalog/datasheet/61900211121.pdf, Gender=Male, Mounting Technology=THT, Packaging=Bag, Part Number=61900211121, Pin Number=2, Pitch=2.54mm, Published Date="January 2020", Publisher="Wurth Elektronik", Type=Vertical
Q1 Q2: Manufacturer="On Semiconductor", Manufacturer P/N=MMBT3904, ComponentLink1Description="Local link", ComponentLink1URL=https://www.thegioiic.com/products/mmbt3904-1am, Local supplier=thegioiic, Local supplier PN=MMBT3904-1AM
R1 R2 R3 R4 R5 R6 R7 R8 R9 R10 R11 R12 R13 R14 R15 R34 R35 R36 R37 R38 R39 R40 R41 R42 R43 R44 R45 R46 R47: "Resistor"
SW1 SW2: library part "Tact SW - 4Pin", "Switch button 4 pin"
TP1 TP2 TP3 TP4 TP5 TP6 TP7 TP8: library part TP, ComponentLink1Description="Supplier 1 Link"
U1: "ESP32-S2"
U4: library part MC34063, "1.5-A boost, buck, inverting switching regulator, operation from 0°C to 70°C", Manufacturer="Texas Instruments", ComponentLink1Description="Local Supplier Link", ComponentLink1URL=https://www.thegioiic.com/products/mc34063ad-ic-dieu-chinh-tang-giam-ap-1-5a-8-soic, Local supplier=Thegioiic, Local Supplier P/N=MC34063AD, Manufacturer P/N=MC34063AD
Y1: library part 830108340809, "WE-XTAL Quartz Crystal, SMT, CFPX-180, 25MHz, +/-20ppm", Frequency Stability=+/-30ppm, Frequency Tolerance=+/-20ppm, Load Capacitance=12pF, Manufacturer="Wurth Elektronik", Operating Temperature="-40 to +105degC", ComponentLink1Description=Manufacturer, ComponentLink1URL=http://www.we-online.de, ComponentLink2Description=Datasheet, ComponentLink2URL=https://www.we-online.com/catalog/datasheet/830108340809.pdf, Frequency=25MHz, Manufacturer Part Number=830108340809, Mounting Technology=SMT, Packaging="Tape and Reel", Published Date="November 2020", Size=CFPX-180

## Via types
v1: diameter 0.45, hole 0.25, Top Layer to Bottom Layer, tented both sides, 634 vias
v2: diameter 0.5, hole 0.2, Top Layer to Bottom Layer, 9 vias

## Nets (pads, with @x,y where several pads share a name; then routed paths per layer and width w, separated by ;. In a path a pad name is that pad's centre, name@x,y a point inside that pad or via, vN(x,y) a via of type N, cw(c..) or ccw(c..) an arc to the next point about the centre after c; other vN are vias at no path point)
12V_SUPPLY: D13.1 J4.1 | length 6.5
  Top Layer w0.762: J4.1@4.445,8.723 6.777,8.723 7.626,7.874 D13.1@10.627,7.874
12V_SUPPLY_IN_HEADER: D11.1 P3.1 P3.2 TP1.1 | length 21.4
  Top Layer w0.254: v1(19.558,11.43) TP1.1@20.955,11.43
  Bottom Layer w0.762: P3.1@1.905,14.605 P3.2@4.445,14.605 4.615,14.775 6.212,14.775 6.845,15.408 D11.1@8.763,15.408 8.763,15.133 10.815,13.081 18.288,13.081 19.558,11.811 v1(19.558,11.43)
+3.3V: C4.2 C5.2 C6.2 C7.2 C8.2 C9.2 C31.1 C39.1 C40.1 L3.2 P4.2 P4.4 P4.6 P4.8 R1.2 R3.2 R4.2 R5.2 R6.2 R7.2 R8.2 R9.2 R11.2 R14.2 R33.2 R35.2 R38.2 R46.1 TP5.1 U1.2 U2.6 U2.7 U5.3 | length 336.3
  Top Layer w0.254: R35.2@3.303,35.047 3.309,35.052 v1@4.699,35.052 ; TP5.1@16.764,72.39 18.528,72.39 18.77,72.148 C7.2@21.59,72.148 ; v1(19.09,70.104) 19.598,70.612 R9.2@21.652,70.612 21.652,72.11 21.602,72.16 23.114,72.16 24.638,72.16 26.162,72.16 U1.2@28.719,72.16 ; R4.2@35.557,46.736 35.56,46.733 v1(35.56,42.799) ; R5.2@50.611,72.263 v1(51.562,72.263) 52.049,71.776 52.112,71.776 52.324,71.564 v1(52.324,70.231) ; R8.2@55.354,72.089 55.372,72.071 v1(55.372,70.104) ; R7.2@59.799,72.089 59.817,72.071 v1(59.817,70.104) ; R6.2@64.244,72.089 64.262,72.071 v1(64.262,70.104) ; v1@65.151,46.736 69.192,46.736 C40.1@69.221,46.708 69.336,46.823 U5.3@72.871,46.823 ; v1@65.151,52.07 69.221,52.07 ; v1@68.199,58.547 77.089,58.547 78.613,60.071 78.613,62.028 78.762,62.177 C9.2@79.672,62.177 ; R33.2@69.088,33.766 v1@69.088,35.052 ; R38.2@69.221,51.079 69.221,52.07 ; R11.2@79.607,60.653 79.672,60.718 C9.2@79.672,62.177 ; R14.2@81.007,57.605 v1@82.466,57.605 ; R46.1@82.048,50.825 82.042,50.83 82.042,52.832 81.407,53.467 77.851,53.467 76.454,52.07 69.221,52.07 ; U2.7@84.403,61.556 84.403,62.484 ; U2.6@84.903,61.556 84.903,62.395 84.814,62.484 84.403,62.484 ; C9.2@79.672,62.177 C8.2@81.069,62.177 81.228,62.336 82.339,62.336 82.815,62.336 82.963,62.484 84.403,62.484
  Top Layer w0.762: C31.1@28.141,39.624 C31.1@28.791,39.624 ; v1@28.194,42.799 28.194,40.043 C31.1@28.613,39.624 ; C31.1@28.765,39.624 29.184,39.205 L3.2@29.184,31.242
  Int2 (PWR) w0.762: v1(19.09,70.104) 19.217,70.231 v1(52.324,70.231) 55.245,70.231 v1(55.372,70.104) v1(59.817,70.104) v1(64.262,70.104) 64.897,70.104 65.151,69.85 ; v1@28.194,42.799 v1(35.56,42.799) ; v1(67.945,69.85) 65.151,69.85 ; v1@68.199,58.547 65.151,58.547 ; v1@69.088,35.052 65.151,38.989 65.151,42.862 ; P4.2@76.581,2.921 P4.4@74.041,2.921 P4.6@71.501,2.921 P4.8@68.961,2.921 65.024,2.921 60.833,7.112 37.846,7.112 35.56,9.398 v1(35.56,42.799) ; v1(35.56,42.799) 65.087,42.799 65.151,42.862 ; 65.151,42.862 65.151,46.736 65.151,52.07 65.151,58.547 ; 65.151,58.547 65.151,69.85
  Bottom Layer w0.254: v1@4.699,35.052 6.731,37.084 6.731,39.116 10.414,42.799 v1@28.194,42.799 ; v1(67.945,69.85) 68.896,69.85 68.929,69.817 69.004,69.817 69.277,69.544 R3.2@69.277,69.469 ; v1@68.199,58.547 R1.2@69.404,58.547 ; v1@82.339,62.336 83.101,61.574 83.101,58.24 v1@82.466,57.605
  other v1: 4.656,35.15 69.045,35.15 27.262,42.897 28.151,42.897 28.913,42.897 27.262,43.659 28.151,43.659 28.913,43.659 65.108,46.834 65.108,52.168 82.423,57.703 68.156,58.645 82.296,62.434
+5V_IN_HEADER: D8.1 P3.3 P3.4 TP2.1 | length 21.6
  Top Layer w0.254: v1@19.558,18.923 19.586,18.951 20.856,18.951 TP2.1@20.955,19.05
  Bottom Layer w0.762: P3.3@1.905,17.145 P3.4@4.445,17.145 12.319,17.145 ; D8.1@12.319,15.408 12.319,17.145 ; v1@19.558,18.923 17.78,17.145 12.319,17.145
  other v1: 19.515,19.021
"CHASSIC GND": C16.1 P2.8 P2.Shell | length 33.6
  Top Layer w0.254: C16.1@75.819,10.414 78.615,13.21 P2.Shell@85.596,13.21
  Bottom Layer w0.152: P2.8@79.756,25.395 83.061,28.7 P2.Shell@85.596,28.7
  Bottom Layer w0.762: P2.Shell@85.596,13.21 P2.Shell@85.596,28.7
  other v1: 77.935,10.258 81.156,10.27 95.588,10.258 91.648,10.278 85.047,10.385 88.562,10.39 98.628,10.458 75.903,12.036 99.144,13.179 75.992,14.744 76.03,17.37 75.958,19.529 99.124,20.389 76.073,21.844 76.073,23.368 75.992,25.78 99.124,25.793 76.03,28.546 99.124,29.396 99.169,31.446 76.03,31.848
ESP_D+: D7.1 J3.3 U2.4 | length 11.7
  Top Layer w0.254: J3.3@85.514,69.183 85.514,67.638 84.566,66.69 D7.1@84.566,65.875 83.401,65.875 82.931,65.405 82.931,64.124 83.736,63.32 85.641,63.32 85.903,63.058 U2.4@85.903,61.556
ESP_D-: D7.6 J3.2 U2.5 | length 11.4
  Top Layer w0.254: v1@85.387,62.685 85.401,62.671 85.401,61.558 U2.5@85.403,61.556 ; J3.2@86.164,69.183 86.164,67.629 86.716,67.077 D7.6@86.716,65.875 87.658,65.875 v1(88.181,65.352)
  Bottom Layer w0.254: v1@85.387,62.685 85.415,62.713 87.447,62.713 88.181,63.447 v1(88.181,65.352)
  other v1: 85.344,62.783
ESP_DTR: Q2.1 R12.1 U2.28 | length 11.4
  Top Layer w0.254: U2.28@88.203,60.756 91.08,60.756 91.229,60.607 91.229,59.51 91.665,59.074 92.3,59.074 R12.1@92.372,59.002 v1@93.515,59.002 ; v1@93.515,62.558 93.52,62.553 94.619,62.553 Q2.1@94.624,62.548
  Bottom Layer w0.254: v1@93.515,59.002 v1@93.515,62.558
  other v1: 93.472,59.1 93.472,62.656
ESP_GPIO_0: C1.2 R1.1 R15.2 SW1.2 SW1.4 U1.3 | length 111.4
  Top Layer w0.254: v1(26.246,70.989) 26.299,70.989 26.677,70.612 28.671,70.612 U1.3@28.719,70.66 ; v1@98.679,66.294 98.679,64.951 R15.2@98.722,64.909
  Bottom Layer w0.254: v1(26.246,70.989) 26.271,70.964 57.941,70.964 60.579,68.326 60.579,54.737 62.103,53.213 71.247,53.213 SW1.4@72.644,54.61 ; R1.1@70.804,58.547 R1.1@70.804,58.547 C1.2@70.805,56.896 72.644,56.896 ; SW1.2@72.644,60.96 72.644,56.896 ; v1@98.679,66.294 95.504,66.294 94.869,65.659 94.869,58.293 92.202,55.626 76.581,55.626 75.565,54.61 SW1.4@72.644,54.61 ; SW1.4@72.644,54.61 72.644,56.896
  other v1: 98.636,66.392
ESP_GPIO_1: D3.1 U1.4 | length 32
  Top Layer w0.254: v1@26.162,69.215 26.202,69.215 26.257,69.16 U1.4@28.719,69.16 ; v1@52.451,69.215 52.479,69.243 52.582,69.243 52.584,69.245 52.735,69.245 53.086,69.596 53.086,71.872 D3.1@53.071,71.887
  Bottom Layer w0.254: v1(26.119,69.313) v1(52.408,69.313)
ESP_GPIO_2: J1.1 U1.5 | length 27
  Top Layer w0.254: J1.1@3.81,72.506 8.752,67.564 28.623,67.564 U1.5@28.719,67.66
ESP_GPIO_3: J1.2 U1.6 | length 26.1
  Top Layer w0.254: J1.2@3.81,69.006 6.656,66.16 U1.6@28.719,66.16
ESP_GPIO_4: J1.3 U1.7 | length 25.3
  Top Layer w0.254: J1.3@3.81,65.506 3.824,65.506 4.67,64.66 U1.7@28.719,64.66
ESP_GPIO_5: J1.4 U1.8 | length 25.4
  Top Layer w0.254: J1.4@3.81,62.006 4.964,63.16 U1.8@28.719,63.16
ESP_GPIO_6: J1.5 U1.9 | length 26.2
  Top Layer w0.254: J1.5@3.81,58.506 6.964,61.66 U1.9@28.719,61.66
ESP_GPIO_7: J1.6 U1.10 | length 27
  Top Layer w0.254: J1.6@3.81,55.006 8.964,60.16 U1.10@28.719,60.16
ESP_GPIO_8: J1.7 U1.11 | length 27.9
  Top Layer w0.254: J1.7@3.81,51.506 10.964,58.66 U1.11@28.719,58.66
ESP_GPIO_9: J1.8 U1.12 | length 28.7
  Top Layer w0.254: J1.8@3.81,48.006 12.964,57.16 U1.12@28.719,57.16
ESP_GPIO_10: J1.9 U1.13 | length 29.5
  Top Layer w0.254: J1.9@3.81,44.506 14.964,55.66 U1.13@28.719,55.66
ESP_GPIO_11: J1.10 U1.14 | length 30.4
  Top Layer w0.254: J1.10@3.81,41.006 16.964,54.16 U1.14@28.719,54.16
ESP_GPIO_12: J2.1 U1.15 | length 57
  Top Layer w0.254: J2.1@20.544,4.318 30.988,14.762 30.988,42.672 25.908,47.752 25.908,51.689 26.879,52.66 U1.15@28.719,52.66
ESP_GPIO_13: J2.2 U1.16 | length 53.7
  Top Layer w0.254: J2.2@24.044,4.318 31.496,11.77 31.496,42.799 26.67,47.625 26.67,50.673 27.157,51.16 U1.16@28.719,51.16
ESP_GPIO_14: J2.3 U1.17 | length 48
  Top Layer w0.254: J2.3@27.544,4.318 32.004,8.778 32.004,42.932 30.969,43.967 U1.17@30.969,50.038
ESP_GPIO_15: J2.4 U1.18 | length 46.3
  Top Layer w0.254: J2.4@31.044,4.318 32.469,5.743 U1.18@32.469,50.038
ESP_GPIO_16: J2.5 U1.19 | length 46
  Top Layer w0.254: U1.19@33.969,50.038 33.969,5.165 34.544,4.59 J2.5@34.544,4.318
ESP_GPIO_17: P1.3 U1.20 | length 47.3
  Top Layer w0.254: v1@35.433,48.133 35.433,50.002 U1.20@35.469,50.038
  Bottom Layer w0.254: P1.3@1.905,30.48 1.905,34.925 5.334,38.354 5.334,41.656 11.811,48.133 v1@35.433,48.133
  other v1: 35.39,48.231
ESP_GPIO_18: P1.1 R4.1 U1.21 | length 52.2
  Top Layer w0.254: v1(36.957,45.466) R4.1@36.957,46.736 36.957,50.026 U1.21@36.969,50.038
  Bottom Layer w0.254: P1.1@1.905,27.94 3.175,29.21 3.175,34.417 6.223,37.465 6.223,41.275 10.414,45.466 v1(36.957,45.466)
ESP_GPIO_19: J2.6 U1.22 | length 47.3
  Top Layer w0.254: J2.6@38.044,4.318 38.044,14.711 36.347,16.408 36.347,29.489 38.469,31.611 U1.22@38.469,50.038
ESP_GPIO_20: J2.7 U1.23 | length 49
  Top Layer w0.254: U1.23@39.969,50.038 39.969,32.476 36.754,29.261 36.754,16.576 41.544,11.786 J2.7@41.544,4.318
ESP_GPIO_21: J2.8 U1.24 | length 52.4
  Top Layer w0.254: U1.24@41.469,50.038 41.469,33.341 37.16,29.032 37.16,16.744 40.062,13.843 42.926,13.843 45.044,11.725 J2.8@45.044,4.318
ESP_GPIO_26: J2.9 U1.25 | length 56.1
  Top Layer w0.254: U1.25@42.969,50.038 42.969,34.206 37.567,28.804 37.567,16.913 40.175,14.305 46.274,14.305 48.544,12.035 J2.9@48.544,4.318
ESP_GPIO_33: J2.10 U1.27 | length 62.8
  Top Layer w0.254: U1.27@46.719,51.16 48.111,51.16 48.26,51.011 48.26,38.862 37.973,28.575 37.973,17.145 39.878,15.24 47.498,15.24 52.044,10.694 J2.10@52.044,4.318
ESP_GPIO_34: U1.28 U3.32 | length 57.1
  Top Layer w0.152: U1.28@46.719,52.66 46.801,52.578 v1(48.133,52.578) ; U3.32@51.274,21.094 49.923,21.094 46.99,18.161 40.767,18.161 40.132,18.796 40.132,27.686 52.324,39.878 v1(52.324,52.578)
  Bottom Layer w0.152: v1(48.133,52.578) v1(52.324,52.578)
ESP_GPIO_35: U1.29 U3.35 | length 55.7
  Top Layer w0.152: U1.29@46.719,54.16 46.777,54.102 48.26,54.102 49.022,53.34 49.022,38.1 38.989,28.067 38.989,18.415 40.386,17.018 47.371,17.018 49.947,19.594 U3.35@51.274,19.594
ESP_GPIO_36: U1.30 U3.33 | length 58.4
  Top Layer w0.152: U1.30@46.719,55.66 46.753,55.626 50.038,55.626 51.054,54.61 51.054,39.116 39.751,27.813 39.751,18.669 40.64,17.78 47.117,17.78 49.931,20.594 U3.33@51.274,20.594
ESP_GPIO_37: U1.31 U3.34 | length 59.7
  Top Layer w0.152: U1.31@46.719,57.16 46.729,57.15 v1@49.784,57.15 ; v1@50.038,54.293 50.038,38.608 39.37,27.94 39.37,18.542 40.513,17.399 47.244,17.399 49.939,20.094 U3.34@51.274,20.094
  Bottom Layer w0.152: v1@49.784,57.15 49.784,57.083 50.038,56.829 v1@50.038,54.293
  other v1: 49.995,54.391 49.741,57.248
ESP_GPIO_40: D1.1 U1.34 | length 24.8
  Top Layer w0.254: U1.34@46.719,61.66 46.781,61.722 v1(53.975,61.722) ; v1(53.975,68.453) 60.96,68.453 61.899,69.392 D1.1@61.899,71.887
  Bottom Layer w0.254: v1(53.975,61.722) v1(53.975,68.453)
ESP_GPIO_41: R44.2 U1.35 | length 41.2
  Top Layer w0.254: U1.35@46.719,63.16 57.49,63.16 59.055,61.595 59.055,45.974 61.192,43.837 R44.2@70.745,43.837
ESP_GPIO_42: R39.2 U1.36 | length 31.7
  Top Layer w0.254: U1.36@46.719,64.66 58.111,64.66 59.563,63.208 59.563,54.356 62.84,51.079 R39.2@67.57,51.079
ESP_GPIO_45: D2.1 U1.39 | length 13.8
  Top Layer w0.254: U1.39@46.719,69.16 46.867,69.012 47.701,69.012 48.133,68.58 48.514,68.199 52.578,68.199 53.848,69.469 56.896,69.469 57.485,70.058 D2.1@57.485,71.887
ESP_RST: C2.2 C3.2 R3.1 R5.1 R10.2 SW2.2 SW2.4 U1.41 | length 103.6
  Top Layer w0.254: U1.41@46.719,72.16 49.124,72.16 49.148,72.136 R5.1@49.148,72.061 ; C3.2@49.149,70.612 R5.1@49.149,72.06 ; R5.1@49.212,72.187 49.898,71.501 v1(51.498,71.501) ; v1(58.631,69.186) v1(58.631,71.472) ; v1@98.679,62.357 98.679,61.141 R10.2@98.722,61.099
  Bottom Layer w0.254: v1(51.498,71.501) 58.507,71.501 58.634,71.374 63.246,71.374 65.151,73.279 71.694,73.279 72.644,72.329 SW2.2@72.644,71.882 72.644,67.945 ; v1@58.674,69.088 60.071,67.691 60.071,64.897 60.071,54.61 61.976,52.705 74.422,52.705 76.835,55.118 92.71,55.118 95.377,57.785 95.377,61.849 95.885,62.357 v1@98.679,62.357 ; R3.1@70.677,69.469 70.727,69.419 C2.2@70.727,67.945 72.644,67.945 ; SW2.4@72.644,65.532 72.644,67.945
  other v1: 98.636,62.455
ESP_RTS: Q1.1 R13.1 U2.24 | length 16.5
  Top Layer w0.254: U2.24@88.203,58.756 88.205,58.754 91.152,58.754 v1@91.173,58.775 ; v1@91.166,62.804 92.302,62.804 R13.1@92.372,62.874 v1@92.372,61.669 ; v1@92.372,57.732 94.404,57.732 94.601,57.929 Q1.1@94.601,58.687
  Bottom Layer w0.254: v1@91.166,62.804 91.173,62.797 v1@91.173,58.775 ; v1@92.372,57.732 v1@92.372,61.669
  other v1: 92.329,57.83 91.131,58.873 92.329,61.767 91.123,62.902